# KiCad board CM4IOv5_upgraded_to_kicadv8_harmonized.kicad_pcb
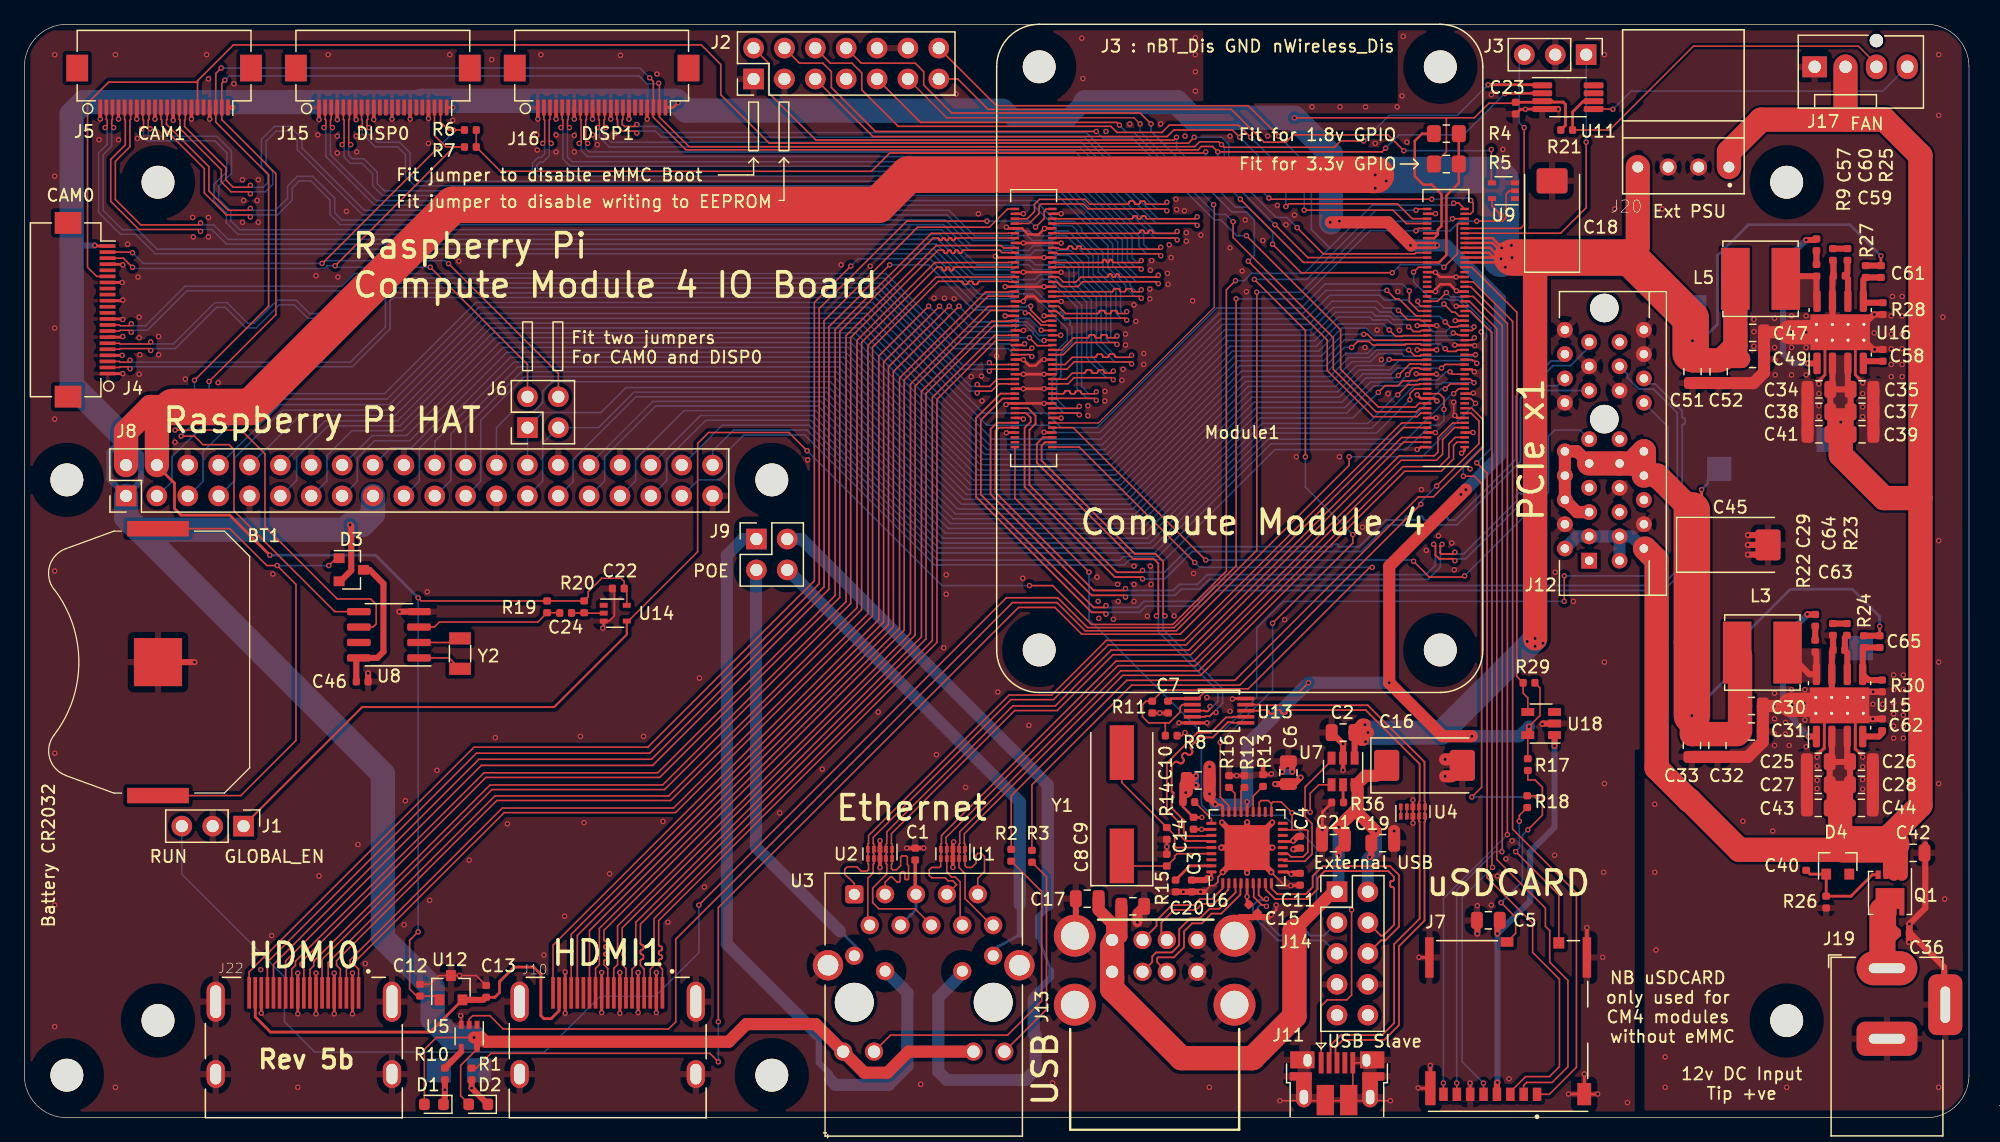
[diagram p0: board, top side]
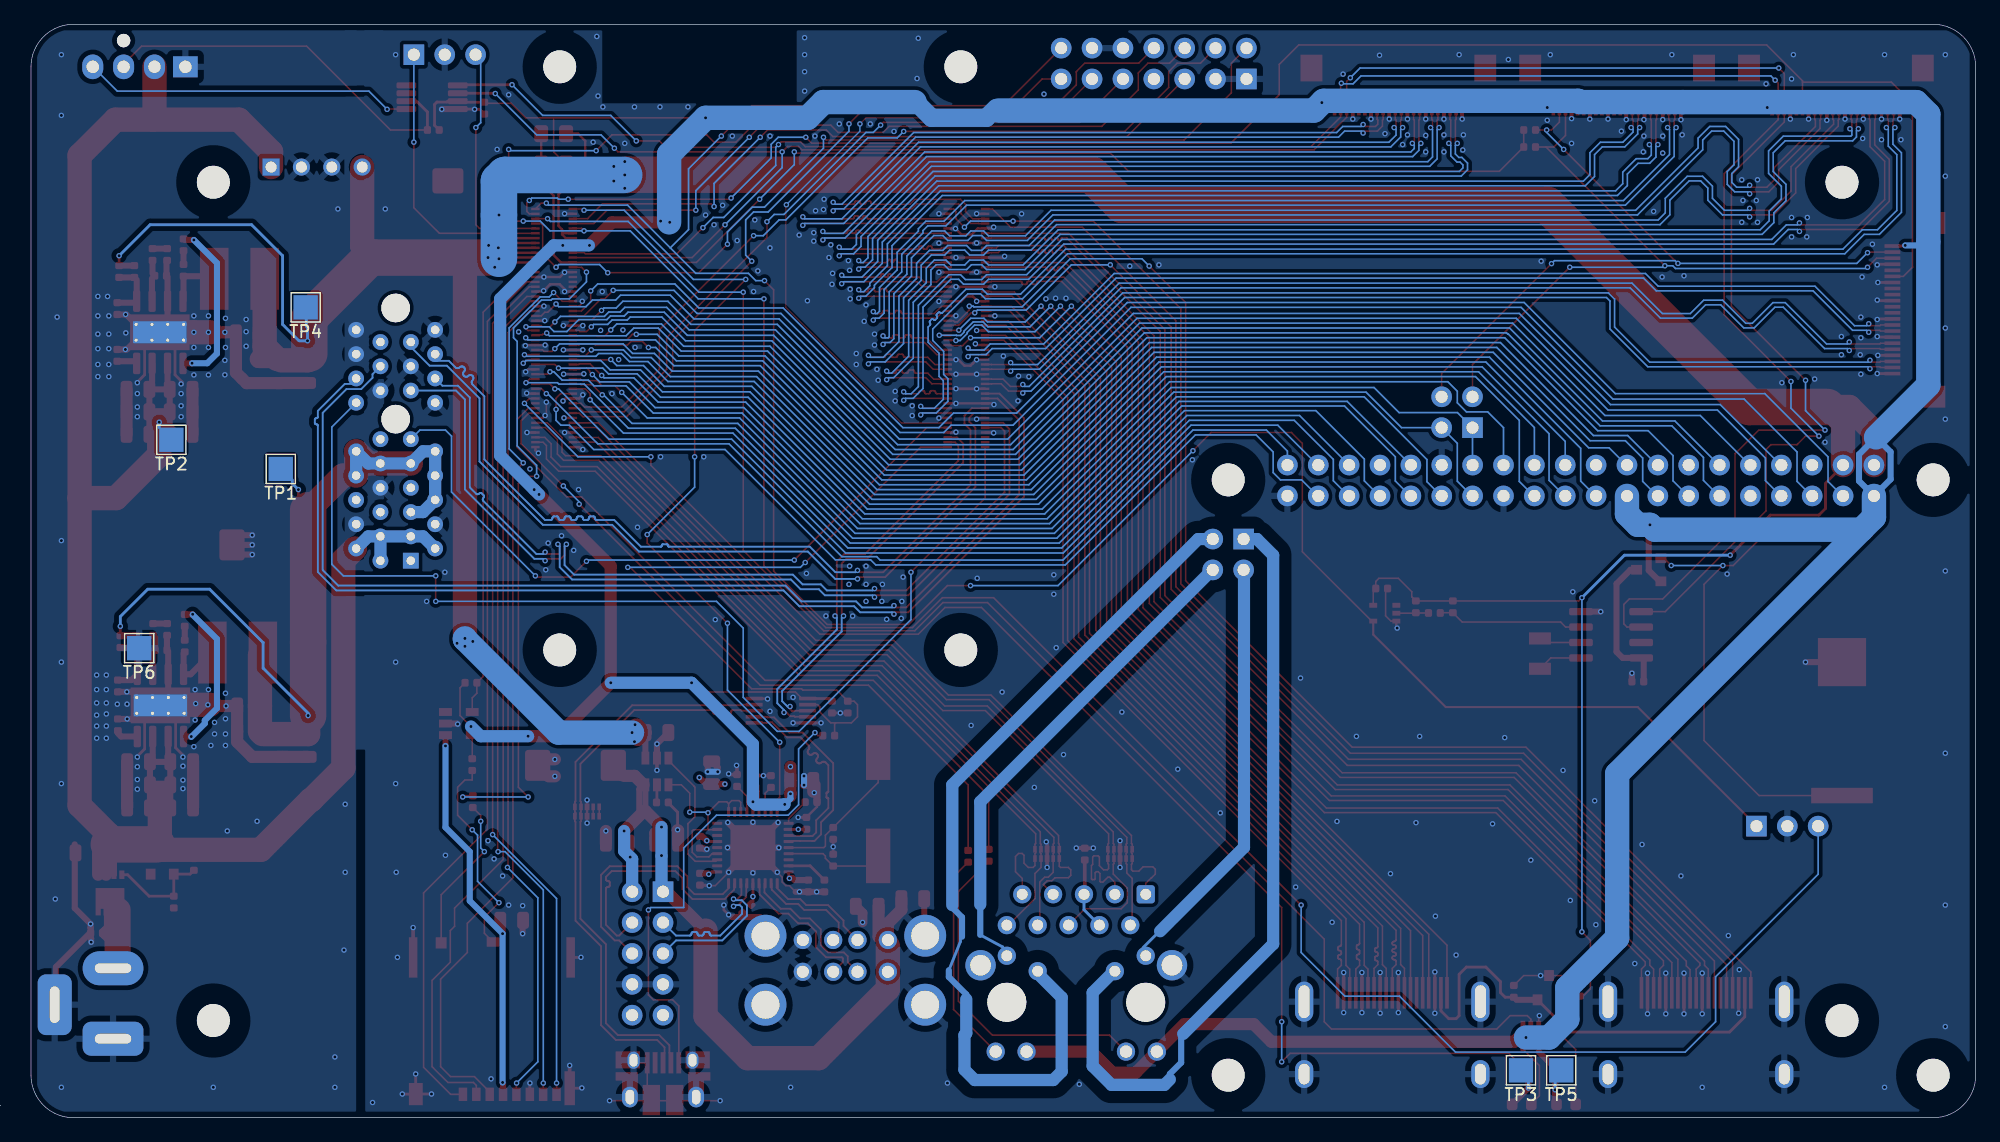
[diagram p1: board, bottom side, seen from below]

Outline 160 x 90 mm; copper layers: Top, In1.Cu (plane), In2.Cu (plane), Bottom. Coordinates in mm from the lower left corner of the outline.
Outline path: 0,86.5 arc(1.03,88.97) 3.5,90 156.5,90 arc(158.97,88.97) 160,86.5 160,3.5 arc(158.97,1.03) 156.5,0 3.5,0 arc(1.03,1.03) 0,3.5 0,86.5
Stack: Top 0.035mm / dielectric 0.09mm FR4 er 4.5 / In1.Cu 0.035mm / dielectric 1.26mm FR4 er 4.5 / In2.Cu 0.035mm / dielectric 0.09mm FR4 er 4.5 / Bottom 0.035mm

## Placement (name value [footprint] x y rotation side)
BT1  Battery_Cell  [BatteryHolder_Keystone_3034_1x20mm]  11 37.5 270 top
C1  100n  [C_0402_1005Metric]  73.3 21.7 90 top
C2  10u  [C_0805_2012Metric]  108.5 31.7 180 top
C3  100n  [C_0402_1005Metric]  96.05 19.07 270 top
C4  100n  [C_0402_1005Metric]  104.97 22.68 270 top
C5  10u  [C_0805_2012Metric]  120.45 16.25 180 top
C6  10u  [C_0805_2012Metric]  104 28.4 90 top
C7  100n  [C_0402_1005Metric]  94.1 33.8 270 top
C8  27pF  [C_0402_1005Metric]  94 21.2 90 top
C9  27pF  [C_0402_1005Metric]  94 23.4 270 top
C10  10u  [C_0805_2012Metric]  96.58 27.76 180 top
C11  100n  [C_0402_1005Metric]  104.96 19.63 270 top
C12  100n  [C_0402_1005Metric]  32.55 10.5 90 top
C13  100n  [C_0402_1005Metric]  38 10.4 90 top
C14  100n  [C_0402_1005Metric]  96.2 24.23 90 top
C15  100n  [C_0402_1005Metric]  101.1 17.2 315 top
C16  100uF  [CP_EIA-7343-31_Kemet-D]  115.2 29 0 top
C17  10u  [C_0805_2012Metric]  87.45 18.03 180 top
C18  100uF  [CP_EIA-7343-31_Kemet-D]  125.7 74 90 top
C19  10u  [C_0805_2012Metric]  111.76 22.6 0 top
C20  10u  [C_0805_2012Metric]  91.2 17.4 0 top
C21  10u  [C_0805_2012Metric]  107.7 22.6 180 top
C22  100n  [C_0402_1005Metric]  48.87 43.56 180 top
C23  100n  [C_0402_1005Metric]  122.7 83.1 270 top
C24  100n  [C_0402_1005Metric]  44.54 41.54 180 top
C25  10u 35v  [C_0805_2012Metric]  147.6 29.3 180 top
C26  10u 35v  [C_0805_2012Metric]  151.15 29.3 0 top
C27  10u 35v  [C_0805_2012Metric]  147.6 27.4 180 top
C28  10u 35v  [C_0805_2012Metric]  151.15 27.4 0 top
C29  100n  [C_0402_1005Metric]  147.35 40.94 90 top
C30  10u  [C_0805_2012Metric]  142.1 33.89 0 top
C31  10u  [C_0805_2012Metric]  142.1 31.79 0 top
C32  10u  [C_0805_2012Metric]  139.3 30.64 270 top
C33  10u  [C_0805_2012Metric]  137.2 30.64 270 top
C34  10u 35v  [C_0805_2012Metric]  147.65 59.95 180 top
C35  10u 35v  [C_0805_2012Metric]  151.2 59.95 0 top
C36  100n 100v  [C_0402_1005Metric]  154.6 15.2 0 top
C37  10u 35v  [C_0805_2012Metric]  151.2 58.1 0 top
C38  10u 35v  [C_0805_2012Metric]  147.65 58.1 180 top
C39  10u 35v  [C_0805_2012Metric]  151.2 56.25 0 top
C40  100n  [C_0402_1005Metric]  146.6 20.85 270 top
C41  10u 35v  [C_0805_2012Metric]  147.65 56.25 180 top
C42  10u 35v  [C_0805_2012Metric]  155.4 21.8 0 top
C43  10u 35v  [C_0805_2012Metric]  147.6 25.5 180 top
C44  10u 35v  [C_0805_2012Metric]  151.15 25.5 0 top
C45  100uF  [CP_EIA-7343-31_Kemet-D]  140.35 47.15 0 top
C46  100n  [C_0402_1005Metric]  27.8 35.9 0 top
C47  10u  [C_0805_2012Metric]  142.2 64.6 0 top
C49  10u  [C_0805_2012Metric]  142.2 62.45 0 top
C51  10u  [C_0805_2012Metric]  137.25 61.41 270 top
C52  10u  [C_0805_2012Metric]  139.4 61.4 270 top
C57  100n  [C_0402_1005Metric]  147.45 71.85 90 top
C58  100n  [C_0402_1005Metric]  152.9 62.75 90 top
C59  nf  [C_0402_1005Metric]  149.34 69.3 180 top
C60  1.2nF  [C_0402_1005Metric]  148.8 71.05 270 top
C61  nf  [C_0402_1005Metric]  152.75 69.65 270 top
C62  100n  [C_0402_1005Metric]  152.85 32.34 90 top
C63  nf  [C_0402_1005Metric]  149.3 38.49 180 top
C64  1.2nF  [C_0402_1005Metric]  148.8 40.19 270 top
C65  nf  [C_0402_1005Metric]  152.65 39.19 270 top
D1  LED Red  [LED_0603_1608Metric]  33.7 1.1 180 top
D2  LED Green  [LED_0603_1608Metric]  37.35 1.1 180 top
D3  BAT54C-7-F  [SOT-23]  26.9 45.1 0 top
D4  MMBZ5242BLT3G  [D_SOT-23_ANK]  149.2 21.05 90 top
H1  MountingHole  [MountingHole_2.7mm_M2.5]  11 8 0 top
H2  MountingHole  [MountingHole_2.7mm_M2.5]  3.5 3.5 0 top
H3  MountingHole  [MountingHole_2.7mm_M2.5]  3.5 52.5 0 top
H4  MountingHole  [MountingHole_2.7mm_M2.5]  61.5 3.5 0 top
H5  MountingHole  [MountingHole_2.7mm_M2.5]  61.5 52.5 0 top
H6  MountingHole  [MountingHole_2.7mm_M2.5]  145 77 0 top
H7  MountingHole  [MountingHole_2.7mm_M2.5]  11 77 0 top
H8  MountingHole  [MountingHole_2.7mm_M2.5]  145 8 0 top
J1  Conn_01x03  [PinHeader_1x03_P2.54mm_Vertical]  18.04 24 270 top
J2  Conn_02x07_Odd_Even  [PinHeader_2x07_P2.54mm_Vertical]  60 85.5 90 top
J3  Conn_01x03  [PinHeader_1x03_P2.54mm_Vertical]  128.5 87.5 270 top
J4  Conn_01x22_Female  [Hirose_FH12-22S-0.5SH_1x22-1MP_P0.50mm_Horizontal]  5 66.5 270 top
J5  Conn_01x22_Female  [Hirose_FH12-22S-0.5SH_1x22-1MP_P0.50mm_Horizontal]  11.5 85 180 top
J6  THD-02-R  [PinHeader_2x02_P2.54mm_Vertical]  41.4 56.8 90 top
J7  Micro_SD_Card_Det  [SDCARD_MOLEX_503398-1892]  122.08 7.55 180 top
J8  THD-20-R  [PinHeader_2x20_P2.54mm_Vertical]  8.37 51.18 90 top
J9  THD-02-R  [PinHeader_2x02_P2.54mm_Vertical]  60.23 47.63 0 top
J10  690-019-298-412  [EDAC 690-019-298-412]  48 9.55 0 top
J11  USB_OTG  [USB_Micro-B_EDAC_UCON00686]  108 1.7 0 top
J12  10018783-11200TLF  [PCIex1-36]  128.75 45.85 90 top
J13  690-008-221-904  [MOLEX_USB_67298-4090]  93 9.3 0 top
J14  Conn_02x05_Odd_Even  [PinHeader_2x05_P2.54mm_Vertical]  108 18.6 0 top
J15  Conn_01x22_Female  [Hirose_FH12-22S-0.5SH_1x22-1MP_P0.50mm_Horizontal]  29.5 85 180 top
J16  Conn_01x22_Female  [Hirose_FH12-22S-0.5SH_1x22-1MP_P0.50mm_Horizontal]  47.5 85 180 top
J17  Molex 470531000  [FanPinHeader_1x04_P2.54mm_Vertical]  147.3 86.5 0 top
J19  Barrel_Jack  [BarrelJack_Horizontal]  153.25 12.3 90 top
J20  AMP171826-4  [TE_171826-4]  136.5 82.8 180 top
J22  690-019-298-412  [EDAC 690-019-298-412]  23 9.55 0 top
L3  SRN6045TA-3R3Y  [L_Bourns_SRN6045TA]  143 38.29 180 top
L5  SRN6045TA-3R3Y  [L_Bourns_SRN6045TA]  142.85 69.05 180 top
Module1  ComputeModule4  [Raspberry-Pi-4-Compute-Module]  116.5 86.5 180 top
Q1  DMP3013SFV-7  [Diodes_PowerDI3333-8]  153.5 18.5 270 top
R1  1k  [R_0402_1005Metric]  36.8 3.6 90 top
R2  470R  [R_0402_1005Metric]  81.2 21.6 90 top
R3  470R  [R_0402_1005Metric]  82.9 21.51 90 top
R4  nf  [R_0805_2012Metric_Pad1.15x1.40mm_HandSolder]  117 81 0 top
R5  0R  [R_0805_2012Metric_Pad1.15x1.40mm_HandSolder]  117 78.5 0 top
R6  2.2K 1%  [R_0402_1005Metric]  36.7 81.3 180 top
R7  2.2K 1%  [R_0402_1005Metric]  36.7 79.9 180 top
R8  2.2K 1%  [R_0402_1005Metric]  94.37 31.45 180 top
R9  10R  [R_0402_1005Metric]  147.45 69.75 90 top
R10  1k  [R_0402_1005Metric]  34.6 3.6 90 top
R11  2.2K 1%  [R_0402_1005Metric]  92.8 33.8 270 top
R12  36K 1%  [R_0402_1005Metric]  100.39 27.67 90 top
R13  36K 1%  [R_0402_1005Metric]  101.91 27.76 90 top
R14  36K 1%  [R_0402_1005Metric]  95.82 25.98 180 top
R15  12K 1%  [R_0402_1005Metric]  94.72 19.07 90 top
R16  36K 1%  [R_0402_1005Metric]  99.12 27.67 90 top
R17  nf  [R_0402_1005Metric]  123.7 29.06 270 top
R18  nf  [R_0402_1005Metric]  123.65 26.01 270 top
R19  510K 1%  [R_0402_1005Metric]  43.01 42.05 90 top
R20  510K 1%  [R_0402_1005Metric]  46.06 42.05 90 top
R21  36K 1%  [R_0402_1005Metric]  126.9 81.3 180 top
R22  10R  [R_0402_1005Metric]  147.35 38.82 90 top
R23  12K 1%  [R_0402_1005Metric]  149.95 40.19 90 top
R24  47K 1%  [R_0402_1005Metric]  151.35 39.19 270 top
R25  20K 1%  [R_0402_1005Metric]  150 71.05 90 top
R26  12K 1%  [R_0402_1005Metric]  148.25 17.75 270 top
R27  12K 1%  [R_0402_1005Metric]  151.5 69.65 270 top
R28  2.2K 1%  [R_0402_1005Metric]  152.9 66.6 270 top
R29  12K 1%  [R_0402_1005Metric]  123.8 35.8 180 top
R30  15K 1%  [R_0402_1005Metric]  152.85 35.54 270 top
R36  15K 1%  [R_0402_1005Metric]  108.05 25.95 180 top
TP1  TestPoint  [TestPoint_Pad_2.0x2.0mm]  139.45 53.4 0 bottom
TP2  TestPoint  [TestPoint_Pad_2.0x2.0mm]  148.45 55.8 0 bottom
TP3  TestPoint  [TestPoint_Pad_2.0x2.0mm]  37.41 3.9 0 bottom
TP4  TestPoint  [TestPoint_Pad_2.0x2.0mm]  137.4 66.7 0 bottom
TP5  TestPoint  [TestPoint_Pad_2.0x2.0mm]  34.1 3.9 0 bottom
TP6  TestPoint  [TestPoint_Pad_2.0x2.0mm]  151.1 38.65 0 bottom
U1  TPD4EUSB30  [USON-10_2.5x1.0mm_P0.5mm]  76.4 21.72 270 top
U2  TPD4EUSB30  [USON-10_2.5x1.0mm_P0.5mm]  70.4 21.72 270 top
U3  MagJack-A70-112-331N126  [TRJG0926HENL]  74 9.5 0 top
U4  TPD4EUSB30  [USON-10_2.5x1.0mm_P0.5mm]  114.25 25.2 90 top
U5  74LVC1G07SE-7  [SOT-353_SC-70-5]  36.6 6.7 270 top
U6  USB2514B-I/M2  [QFN-36-1EP_6x6mm_P0.5mm_EP3.7x3.7mm]  100.6 22.23 90 top
U7  AP22653W6  [SOT-23-6]  108.5 28.5 270 top
U8  PCF85063AT/AAZ  [SOIC-8_3.9x4.9mm_P1.27mm]  30 39.75 180 top
U9  74LVC1G07SE-7  [SOT-353_SC-70-5]  121.7 76.3 180 top
U11  EMC2301-1-ACZL-TR  [MSOP-8_3x3mm_P0.65mm]  127 84 0 top
U12  RT9742SNGV  [SOT-23]  35.1 10.7 90 top
U13  FSUSB42MUX  [MSOP-10_3x3mm_P0.5mm]  98.3 33.5 0 top
U14  74LVC1G07SE-7  [SOT-353_SC-70-5]  48.62 41.53 0 top
U15  AP64501SP-13  [SOIC-8-1EP_3.9x4.9mm_P1.27mm_EP2.95x4.9mm_Mask2.71x3.4mm_ThermalVias]  149.35 33.94 90 top
U16  AP64501SP-13  [SOIC-8-1EP_3.9x4.9mm_P1.27mm_EP2.95x4.9mm_Mask2.71x3.4mm_ThermalVias]  149.4 64.65 90 top
U18  RT9742GGJ5  [SOT-23-5]  124.8 32.44 180 top
Y1  24MHz  [Crystal_SMD_HC49-SD]  90.3 25.8 90 top
Y2  X32K768S301  [Crystal_SMD_3215-2Pin_3.2x1.5mm]  35.85 38.2 90 top

## Library data of the parts
BT1 = -: Field4: Digikey; Field5: 36-3034-ND; Field6: 3034; Field7: Keystone; Part Description: Battery Retainer Coin, 20.0mm 1 Cell SMD (SMT) Tab
C1 C3 C4 C7 C11-C15 C22-C24 C29 C40 C46 C57 C58 C62 = -: Field4: Farnell; Field5: 2611911; Field6: RM EMK105 B7104KV-F; Field7: TAIYO YUDEN EUROPE GMBH; Field8: 110091611; Part Description: 0.1uF 10% 16V Ceramic Capacitor X7R 0402 (1005 Metric)
C2 C5 C6 C10 C17 C19-C21 C30-C33 C47 C49 C51 C52 = -: Field4: Digikey; Field5: 490-14381-1-ND; Field6: GRM21BR71A106KA73L; Field7: Murata; Field8: 111893011; Part Description: 10uF 10% 10V Ceramic Capacitor X7R 0805 (2012 Metric)
C8 C9 = -: Field4: Digikey; Field5: 490-17672-1-ND; Field6: GJM1555C1H270JB01D; Field7: Murata; Field8: UCAP00738; Part Description: 27pF 5% 50V Ceramic Capacitor C0G, NP0 0402 (1005 Metric)
C16 C18 C45 = -: Field4: Mouser; Field5: 667-EEF-CX0J101R; Part Description: Capacitor, SP-Cap, 100u, 6.3V, 15mR ESR
C25-C28 C34 C35 C37-C39 C41-C44 = -: Field4: Digikey; Field5: 490-10505-1-ND; Field6: GRM21BC8YA106KE11L; Field7: Murata; Part Description: 10uF 10% or 20% 35V Ceramic Capacitor X6S 0805 (2012 Metric)
C36 = -: Field4: Farnell; Field5: 2611907; Field6: GRM155R62A104KE14D; Field7: Murata; Part Description: 0.1uF 10% 100V Ceramic Capacitor X5R 0402 (1005 Metric)
C60 C64 = -: Field4: Digikey; Field5: 490-16429-1-ND; Field6: GCM155R71H122KA37D; Field7: Murata; Part Description: 1200pF 10% 10V Ceramic Capacitor X5R 0402 (1005 Metric)
C61 = -: Field4: Farnell; Field5: 2666374; Field6: GRM1555C1H221JA01D; Field7: Murata; Part Description: 220 pF, 50 V, 0402 [1005 Metric], ± 5%, C0G / NP0/CH, GCM Series
C65 = -: Field4: Digikey; Field5: 490-17672-2-ND; Field6: GJM1555C1H270JB01D; Field7: Murata; Part Description: 27pF 5% 50V Ceramic Capacitor C0G, NP0 0402 (1005 Metric)
D1 = -: Field4: Digikey; Field5: LTST-S270KRKT; Field6: SML-A12U8TT86Q; Field7: Rohm; Field8: 650295101; Part Description: Red 620nm LED Indication - Discrete 2.2V 2-SMD, No Lead
D2 = -: Field4: Digikey; Field5: LTST-S270KGKT; Field6: SML-A12M8TT86N; Field7: Rohm; Field8: 650263301; Part Description: Green 572nm LED Indication - Discrete 2.2V 2-SMD, No Lead
D3 = -: Field4: Farnell; Field5: 2306010; Field7: Rohm; Part Description: Diode Array 1 Pair Common Cathode Schottky 30V 200mA (DC) Surface Mount TO-236-3, SC-59, SOT-23-3
D4 = -: Field4: Digikey; Field5: MMBZ5242BLT3GOSCT-ND; Field7: Onsemi; Part Description: Zener Diode 12V 225mW 5% Surface Mount SOT-23-3 (TO-236)
H1-H8 = -: Field4: nf; Field5: nf; Field6: nf; Field7: nf; Part Description: M2.5 mounting hole
J1 J3 = -: Field4: nf; Field5: nf; Field6: nf; Field7: nf; Part Description: 3pin 0.1" connector
J2 = -: Field4: Toby; Field5: THD-07-R; Field6: THD-07-R; Field7: Toby; Part Description: PinHeader_2x07_P2.54mm_Vertical
J4 J5 J15 J16 = -: Field4: Mouser; Field5: 798-FH12-22S-0.5SH55; Field6: FH12-22S-0.5SH55; Field7: Hirose; Part Description: 22 Position FFC, FPC Connector Contacts, Bottom 0.020" (0.50mm) Surface Mount, Right Angle
J6 J9 = -: Field4: Toby; Field6: 151-604-425-761; Field7: EDAC; Field8: UCON00791; Part Description: PinHeader_2x02_P2.54mm_Vertical
J7 = -: Field4: Farnell; Field5: 2358234; Field6: 503398-1892; Field7: Molex; Field8: UCON00512; Part Description: 9 (8 + 1) Position Card Connector microSD™ Surface Mount, Right Angle Gold
J8 = -: Field4: Toby; Field7: Toby; Field8: UCON00511; Part Description: PinHeader_2x20_P2.54mm_Vertical
J10 J22 = -: Field4: Farnell; Field5: 2614936; Field7: EDAC; Field8: UCON00802; Part Description: HDMI Connector, Right Angle, 19 Contacts, Receptacle, Surface Mount, Surface Mount Right Angle
J11 = -: Field4: Digikey; Field5: 609-4050-2-ND; Field6: 690-005-298-486; Field7: EDAC; Field8: UCON00686; Part Description: USB - micro B USB 2.0 Receptacle Connector 5 Position Surface Mount, Right Angle; Through Hole
J12 = -: Field4: Mouser; Field5: 649-10018783-1200TLF; Field7: Amphenol FCI; Part Description: PCI Express/PCI Connectors PCIE THROUGH HOLE 36P
J13 = -: Field4: Farnell; Field5: 2751688; Field7: EDAC; Field8: UCON00727; Part Description: USB-A (USB TYPE-A), Stacked Receptacle Connector 8 Position Through Hole, Right Angle
J14 = -: Field4: Toby; Field5: THD-05-R; Field6: THD-05-R; Field7: Toby; Part Description: PinHeader_2x05_P2.54mm_Vertical
J17 = -: Field4: Farnell; Field5: 2313705; Field6: 470531000; Field7: Molex; Part Description: Connector Header Through Hole 4 position 0.100" (2.54mm)
J19 = -: Field4: Toby; Field5: DC-001-A-2.1mm-R; Field6: DC-001-A-2.1mm-R; Field7: Valcon; Part Description: DC Power Connectors PCB 2.1MM
J20 = -: Field4: Farnell; Field5: 1056115; Field7: AMP-TE; Part Description: Wire-To-Board Connector, Right Angle, 2.54 mm, 4 Contacts, Header, AMP EI Series, Through Hole
L3 L5 = -: Field4: Farnell; Field5: 2616889; Field7: Bourns; Part Description: 3.3µH Semi-Shielded Wirewound Inductor 7.8A 21mOhm Nonstandard
Module1 = -: Field4: Hirose; Field5: 2off DF40C-100DS-0.4V; Field6: 2off DF40C-100DS-0.4V; Field7: Hirose; Part Description: 100 Position Connector Receptacle, Center Strip Contacts Surface Mount Gold
Q1 = -: Field4: Farnell; Field5: 3405192; Field7: Diodes; Part Description: DMP3013SFV-7 -  Power MOSFET, P Channel, 30 V, 12 A, 0.008 ohm, PowerDI3333, Surface Mount
R1 R10 R17 R18 = -: Field4: Farnell; Field5: 9239235; Field6: RK73H1ETTP1001F; Field7: KOA EUROPE GMBH; Field8: 125049511; Part Description: Resistor 1K M1005 1% 63mW
R2 R3 = -: Field4: Farnell; Field5: 9239197; Field6: RK73G1ETQTP4700D; Field7: KOA EUROPE GMBH; Field8: 120887981; Part Description: Resistor 470R M1005 1% 63mW
R5 = -: Field4: Farnell; Field5: 9233750; Field6: MCR10EZPJ000; Field7: Rohm; Field8: 121629591; Part Description: Resistor 0R M2012 5%
R6-R8 R11 R28 = -: Field4: Farnell; Field5: 9239278; Field6: RK73G1ETQTP2201D; Field7: KOA EUROPE GMBH; Field8: 120889581; Part Description: Resistor 2.2K M1005 1% 63mW
R9 R22 = -: Field4: Farnell; Field5: 9238999; Field6: RC0402FR-0710RL; Field7: Yageo; Field8: URES00256; Part Description: Resistor 10R M1005 1% 63mW
R12-R14 R16 R21 = -: Field4: Farnell; Field5: 1458788; Field6: MCR01MZPF3602; Field7: Rohm; Part Description: Resistor 36K M1005 1% 63mW
R15 R23 R26 R27 R29 = -: Field4: Farnell; Field5: 9239367; Field6: MCR01MZPF1202; Field7: Rohm; Part Description: Resistor 12K M1005 1% 63mW
R19 R20 = -: Field4: Farnell; Field5: 1458807; Field6: MCR01MZPF5103; Field7: Rohm; Part Description: Resistor 510K M1005 1% 63mW
R24 = -: Field4: Farnell; Field5: 9239430; Field6: RK73G1ETQTP4702D; Field7: KOA EUROPE GMBH; Field8: 120892781; Part Description: Resistor 47K M1005 1% 63mW